# Altium PCB PCB5.PcbDoc (part 3 of 5)
Units mil, origin at the board's own origin, x right, y up, seen from the top; angles counter-clockwise.
Board outline 4763.78 x 6574.87 mil, 6 copper layers (Top Layer, GND, ADDR, DATA, VCC, Bottom Layer), stack 80.842 mil thick; 385 components, 444 nets, 1700 pads, 1571 vias.
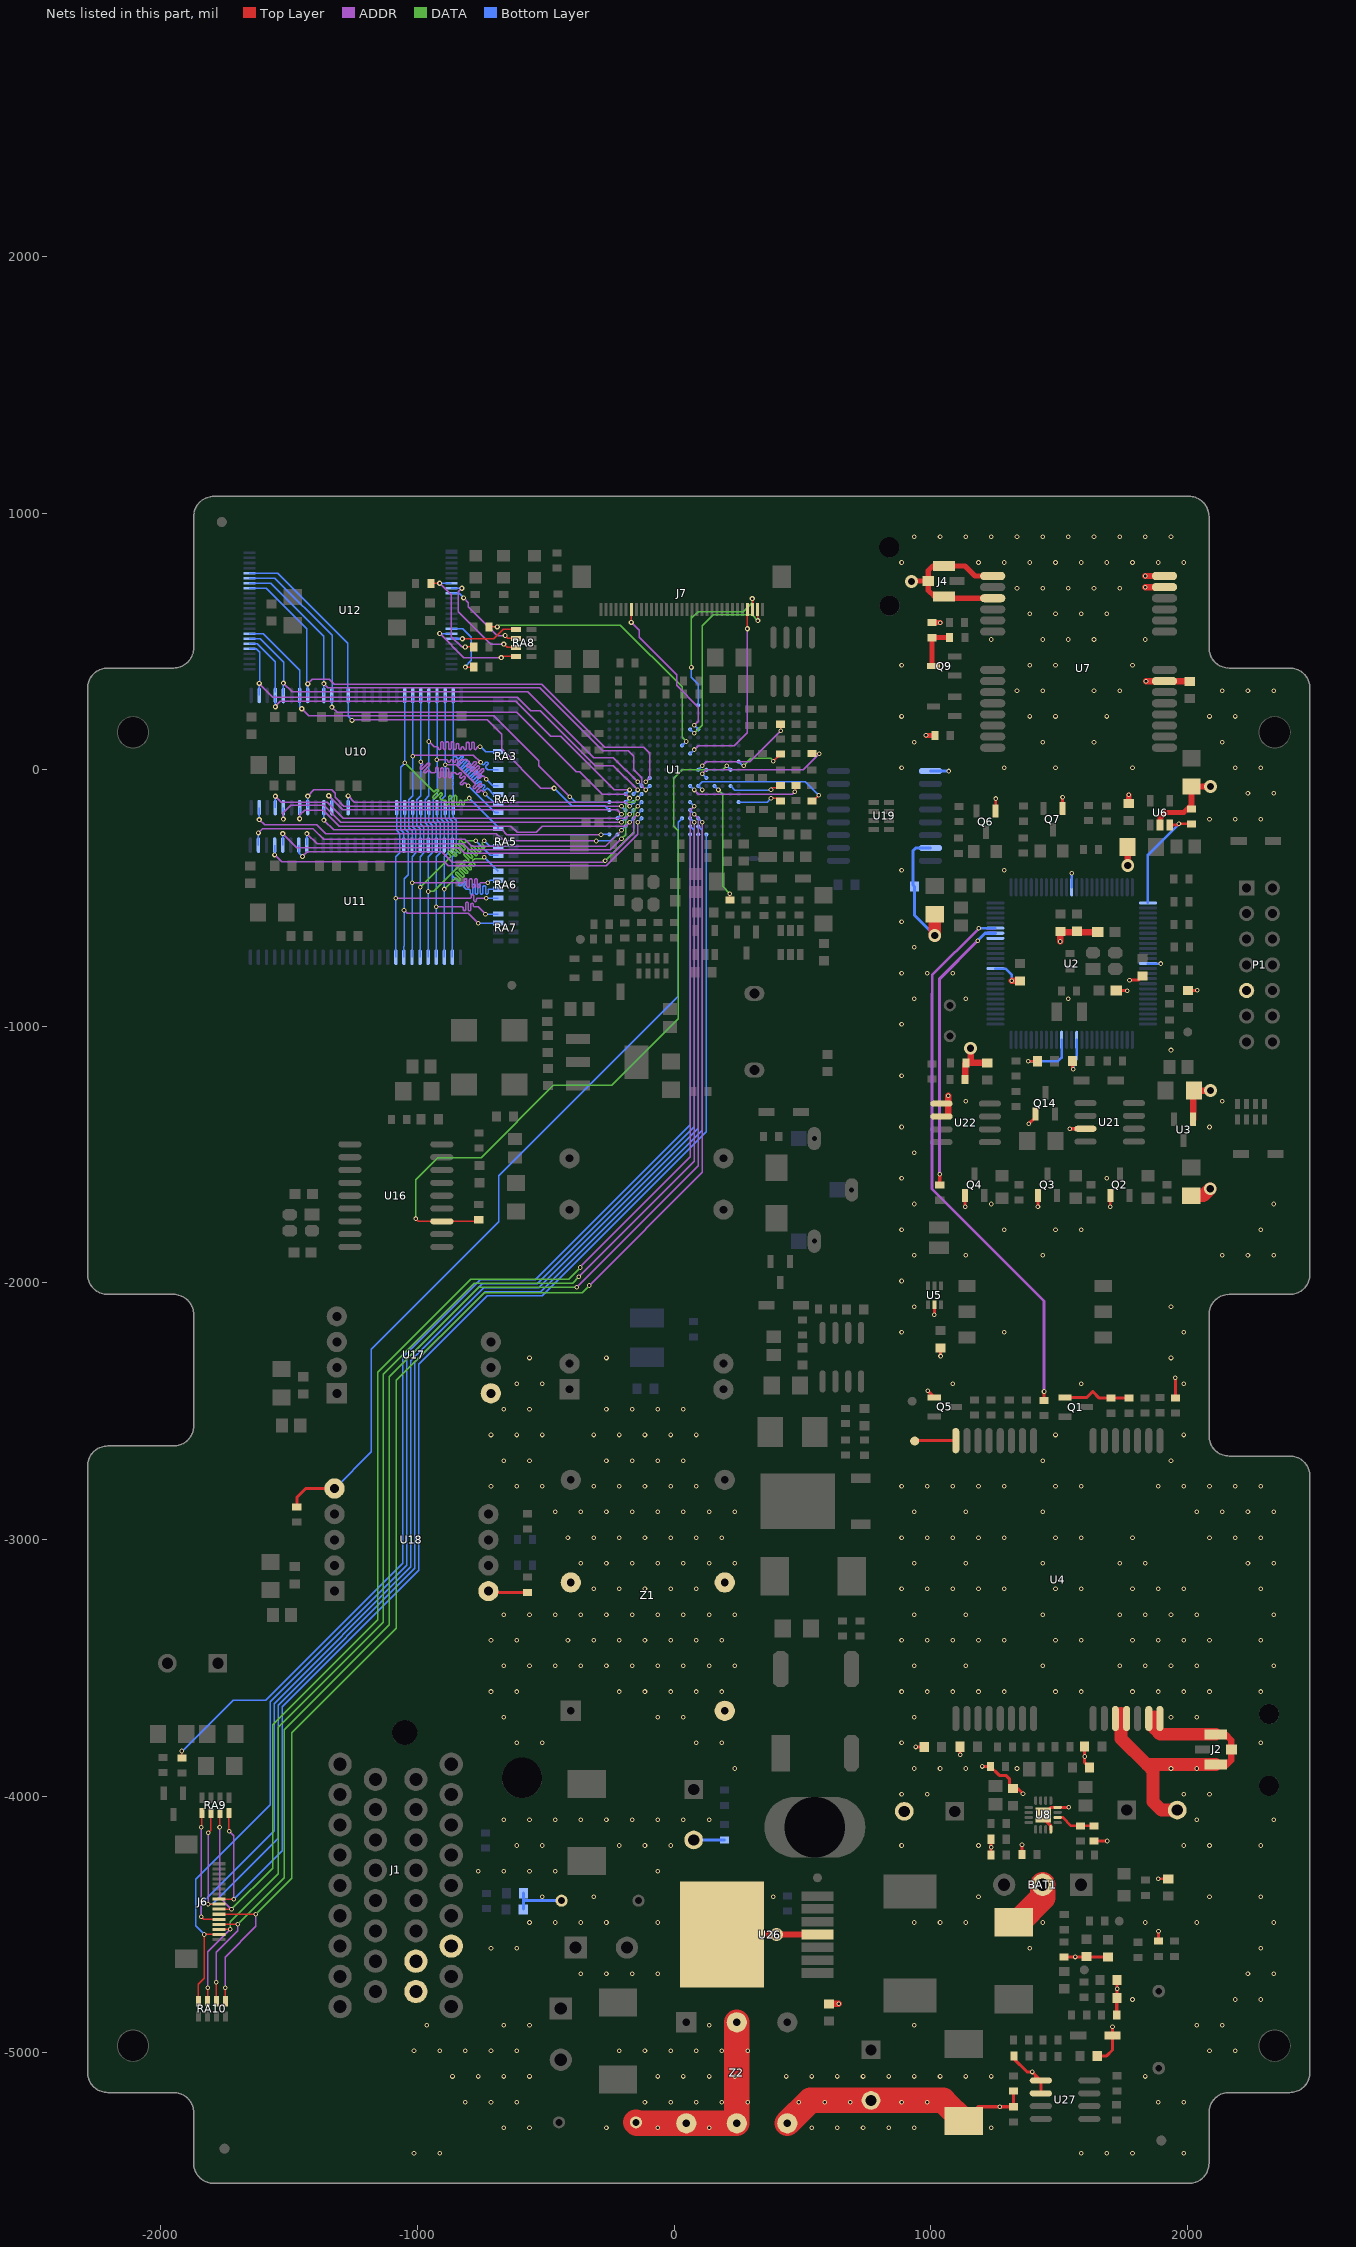
[diagram p7: the nets of this part, all layers, seen from the top]

## Via types
v1: diameter 18, hole 10, Top Layer to Bottom Layer, 1138 vias
v2: diameter 18, hole 10, Top Layer to Bottom Layer, tented both sides, 290 vias
v3: diameter 20, hole 10, Top Layer to Bottom Layer, tented both sides, 89 vias
v4: diameter 50, hole 28, Top Layer to Bottom Layer, 42 vias
v5: diameter 20, hole 10, Top Layer to Bottom Layer, 7 vias
v6: diameter 23.62, hole 11.81, Top Layer to Bottom Layer, tented both sides, 5 vias

## Nets (pads, with @x,y where several pads share a name; then routed paths per layer and width w, separated by ;. In a path a pad name is that pad's centre, name@x,y a point inside that pad or via, vN(x,y) a via of type N, cw(c..) or ccw(c..) an arc to the next point about the centre after c; other vN are vias at no path point) (continued)
EGND: C74.2 C75.2 CV3.2 J1.18 J1.19 J1.28 R94.2 R106.2 U17.8 U18.10 VR1.2 VR2.2 Z1.2 Z1.4 Z1.5 Z2.2 Z2.4 Z2.5 | length 1264.2
  Top Layer w12: U18.10@-718.47,-3205.53 R94.2@-571,-3205.53
  Top Layer w100: VR2.2@-148.24,-5271.23 -144.54,-5274.93 Z2.4@47.91,-5274.93 Z2.5@244.76,-5274.93 Z2.2@244.76,-4881.23
  Bottom Layer w12: C75.2@-586.59,-4440.39 C74.2@-586.59,-4378.39 ; -584.87,-4407.28 VR1.2@-438.24,-4407.28 ; CV3.2@77.34,-4170.13 R106.2@197.22,-4170.13
  other v1: -1013.24,-5392.28 -913.24,-5392.28 -663.24,-5292.28 -563.24,-5292.28 -263.24,-5292.28 -63.24,-5292.28 136.76,-5292.28 -813.24,-5192.28 -713.24,-5192.28 -613.24,-5192.28 -113.24,-5192.28 -13.24,-5192.28 86.76,-5192.28 186.76,-5192.28 286.76,-5192.28 -863.24,-5092.28 -763.24,-5092.28 -663.24,-5092.28 -563.24,-5092.28 -63.24,-5092.28 36.76,-5092.28 136.76,-5092.28 236.76,-5092.28 -1013.24,-4992.28 -913.24,-4992.28 -813.24,-4992.28 -713.24,-4992.28 -613.24,-4992.28 -213.24,-4992.28 -113.24,-4992.28 -13.24,-4992.28 86.76,-4992.28 186.76,-4992.28 286.76,-4992.28 -963.24,-4892.28 -663.24,-4892.28 -563.24,-4892.28 136.76,-4892.28 -363.24,-4692.28 -263.24,-4692.28 -163.24,-4692.28 -63.24,-4692.28 -713.24,-4592.28 -613.24,-4592.28 -563.24,-4492.28 -463.24,-4492.28 -363.24,-4492.28 -263.24,-4492.28 -63.24,-4492.28 -513.24,-4392.28 -313.24,-4392.28 -763.24,-4292.28 -663.24,-4292.28 -563.24,-4292.28 -463.24,-4292.28 -63.24,-4292.28 -613.24,-4192.28 -513.24,-4192.28 -213.24,-4192.28 -113.24,-4192.28 -13.24,-4192.28 -663.24,-4092.28 -563.24,-4092.28 -463.24,-4092.28 -363.24,-4092.28 -263.24,-4092.28 -163.24,-4092.28 -63.24,-4092.28 36.76,-4092.28 136.76,-4092.28 236.76,-3892.28 -613.24,-3792.28 -513.24,-3792.28 86.76,-3792.28 186.76,-3792.28 -663.24,-3692.28 -63.24,-3692.28 36.76,-3692.28 -713.24,-3592.28 -613.24,-3592.28 -213.24,-3592.28 -113.24,-3592.28 -13.24,-3592.28 86.76,-3592.28 186.76,-3592.28 -663.24,-3492.28 -563.24,-3492.28 -463.24,-3492.28 -363.24,-3492.28 -263.24,-3492.28 -163.24,-3492.28 -63.24,-3492.28 36.76,-3492.28 136.76,-3492.28 236.76,-3492.28 -713.24,-3392.28 -613.24,-3392.28 -413.24,-3392.28 -313.24,-3392.28 -213.24,-3392.28 -113.24,-3392.28 -13.24,-3392.28 86.76,-3392.28 186.76,-3392.28 -663.24,-3292.28 -563.24,-3292.28 -463.24,-3292.28 -363.24,-3292.28 -263.24,-3292.28 -163.24,-3292.28 -63.24,-3292.28 36.76,-3292.28 136.76,-3292.28 236.76,-3292.28 -313.24,-3192.28 -213.24,-3192.28 -113.24,-3192.28 -13.24,-3192.28 86.76,-3192.28 -363.24,-3092.28 -263.24,-3092.28 -163.24,-3092.28 -63.24,-3092.28 36.76,-3092.28 136.76,-3092.28 236.76,-3092.28 -413.24,-2992.28 -313.24,-2992.28 -213.24,-2992.28 -113.24,-2992.28 -13.24,-2992.28 86.76,-2992.28 186.76,-2992.28 -463.24,-2892.28 -363.24,-2892.28 -263.24,-2892.28 -163.24,-2892.28 -63.24,-2892.28 36.76,-2892.28 136.76,-2892.28 236.76,-2892.28 -713.24,-2792.28 -613.24,-2792.28 -513.24,-2792.28 -313.24,-2792.28 -213.24,-2792.28 -113.24,-2792.28 -13.24,-2792.28 86.76,-2792.28 -663.24,-2692.28 -563.24,-2692.28 -263.24,-2692.28 -163.24,-2692.28 -63.24,-2692.28 36.76,-2692.28 -713.24,-2592.28 -613.24,-2592.28 -513.24,-2592.28 -313.24,-2592.28 -213.24,-2592.28 -113.24,-2592.28 -13.24,-2592.28 86.76,-2592.28 -663.24,-2492.28 -563.24,-2492.28 -263.24,-2492.28 -163.24,-2492.28 -63.24,-2492.28 36.76,-2492.28 -613.24,-2392.28 -513.24,-2392.28 -563.24,-2292.28 -263.24,-2292.28
EINT0/GPF0: J6.8 RA9.8 U1.N17 | length 5437.6
  Top Layer w5: J6.8@-1773.02,-4401.16 v1(-1716.16,-4401.16) ; RA9.8@-1734.5,-4066 -1734.5,-4135.5 v1(-1733,-4137)
  ADDR w5: v1(-1733,-4137) -1716.16,-4153.84 v1(-1716.16,-4401.16)
  Bottom Layer w5: v1(-1716.16,-4401.16) -1527,-4212 -1527,-3652 -994,-3119 -994,-2316 -728.25,-2050.25 -513.56,-2050.25 125.99,-1410.7 U1.N17@125.99,-251.97
EINT1/GPF1: J6.9 RA9.6 U1.M16 | length 5542.2
  Top Layer w5: v1(-1815.84,-4420.84) J6.9@-1773.02,-4420.84 ; v1(-1815,-4143) -1804.5,-4132.5 RA9.6@-1804.5,-4066
  ADDR w5: v1(-1815.84,-4420.84) -1815.84,-4143.84 v1(-1815,-4143)
  Bottom Layer w5: v1(-1815.84,-4420.84) -1799.84,-4420.84 -1542.75,-4163.75 -1542.75,-3645.48 -1009.75,-3112.48 -1009.75,-2309.48 -734.77,-2034.5 -520.09,-2034.5 110.24,-1404.17 110.24,-236.22 U1.M16@94.49,-220.47
EINT2/GPF2: J6.10 RA9.7 U1.L13 | length 5741.5
  Top Layer w5: J6.10@-1773.02,-4440.53 v1(-1724.53,-4440.53) ; v1(-1771,-4121) -1769.5,-4119.5 RA9.7@-1769.5,-4066 RA9.7@-1769.5,-4059.14
  ADDR w5: v1(-1771,-4121) -1771,-4394.05 v1(-1724.53,-4440.53) ; v1(-365.74,-1939.74) -365.74,-1937.74 62.99,-1509.01 62.99,-157.48 v2(78.74,-141.73)
  DATA w5: v1(-1724.53,-4440.53) -1563.92,-4279.92 -1563.92,-3721.92 -1155,-3313 -1155,-2347 -793,-1985 -411,-1985 v1(-365.74,-1939.74)
  Bottom Layer w8: U1.L13@62.99,-125.98 v2(78.74,-141.73)
EINT3/GPF3: J6.11 RA10.5 U1.M15 | length 5754.5
  Top Layer w5: J6.11@-1773.02,-4460.21 v1(-1629.21,-4460.21) ; v1(-1749,-4747) -1748.5,-4747.5 RA10.5@-1748.5,-4799
  ADDR w5: v1(-1749,-4747) -1749,-4627 -1629.21,-4507.21 v1(-1629.21,-4460.21) ; v1(-330.46,-2010) 110.24,-1569.31 v2(110.24,-204.72)
  DATA w5: v1(-1629.21,-4460.21) -1489.29,-4320.29 -1489.29,-3752.83 -1081.75,-3345.29 -1081.75,-2379.29 -740.23,-2037.77 -358.23,-2037.77 v1(-330.46,-2010)
  Bottom Layer w8: U1.M15@94.49,-188.98 v2(110.24,-204.72)
EINT4/GPF4: J6.12 RA9.5 U1.M17 | length 5620.9
  Top Layer w5: v1(-1843,-4470) -1833.1,-4479.9 J6.12@-1773.02,-4479.9 ; v1@-1839.5,-4117.5 RA9.5@-1839.5,-4066
  ADDR w5: v1(-1843,-4470) v1(-1843,-4121)
  Bottom Layer w5: v1(-1843,-4470) -1843,-4419 -1558.5,-4134.5 -1558.5,-3638.95 -1025.5,-3105.95 -1025.5,-2302.95 -741.29,-2018.75 -526.61,-2018.75 94.49,-1397.65 U1.M17@94.49,-251.97
EINT5/GPF5: J6.13 RA10.6 U1.L14 | length 5730.4
  Top Layer w5: RA10.6@-1783.5,-4799 v1(-1783.5,-4725.5) ; J6.13@-1773.02,-4499.58 v1@-1700,-4499.58
  ADDR w5: v1(-1783.5,-4725.5) -1783.5,-4608.5 -1700,-4525 v1(-1700,-4499) ; v1(-379,-2017) 94.49,-1543.51 94.49,-188.98 v2(78.74,-173.23)
  DATA w5: v1(-1700,-4499) -1699.42,-4499.58 -1518.67,-4318.83 -1518.67,-3740.67 -1109.75,-3331.75 -1109.75,-2365.75 -761,-2017 v1(-379,-2017)
  Bottom Layer w8: U1.L14@62.99,-157.48 v2(78.74,-173.23)
EINT6/GPF6: J6.14 RA10.7 U1.L15 | length 5669.9
  Top Layer w5: RA10.7@-1818.5,-4799 -1817,-4797.5 v1(-1817,-4747) ; J6.14@-1773.02,-4519.27 v1(-1729.34,-4519.27)
  ADDR w5: v1(-1817,-4747) -1817,-4606.93 v1(-1729.34,-4519.27) ; v1(-371,-1976) 78.74,-1526.26 v2(78.74,-204.72)
  DATA w5: v1(-1729.34,-4519.27) -1729.34,-4489.34 -1542,-4302 -1542,-3731 -1133.08,-3322.08 -1133.08,-2356.08 -777.5,-2000.5 -395.5,-2000.5 v1(-371,-1976)
  Bottom Layer w8: U1.L15@62.99,-188.98 v2(78.74,-204.72)
EINT7/GPF7: J6.15 RA10.8 U1.L16 | length 5596.3
  Top Layer w5: RA10.8@-1853.5,-4799 -1853.5,-4733.33 -1830.05,-4709.88 v1(-1830.05,-4538.95) J6.15@-1773.02,-4538.95
  Bottom Layer w5: v1(-1830.05,-4538.95) -1864,-4505 -1864,-4324 -1574.25,-4034.25 -1574.25,-3632.43 -1041.25,-3099.43 -1041.25,-2296.43 -747.82,-2003 -533.13,-2003 78.74,-1391.13 78.74,-236.22 U1.L16@62.99,-220.47
EINT8/GPG0: U1.N9
EINT9/GPG1: R86.2 U1.T9 U16.12 | length 2880.2
  Top Layer w5: v1(-1007,-1749) -996,-1760 U16.12@-904.87,-1760 -767.47,-1760 R86.2@-761,-1753.53
  DATA w5: v1(-1007,-1749) -1007,-1598 -920.29,-1511.29 -751,-1511.29 -469.71,-1230 -243.02,-1230 17,-969.98 17,-237 -0.24,-219.76 -0.24,-32.23 31.98,0 189.53,0 v2(205,15.47)
  Bottom Layer w5: v2(205,15.47) U1.T9@220.47,0
EINT17/GPG9: R59.2 U1.M11 | length 555.5
  Top Layer w5: R59.2@537.76,-121.47 542.53,-121.47 v1(564,-100)
  Bottom Layer w5: U1.M11@94.49,-62.99 110.48,-47 511,-47 v1(564,-100)
  Bottom Layer w8: U1.M11@94.49,-62.99 v2(110.24,-78.74)
EINT18/GPG10: RN12.2 U1.N10 | length 538.7
  Top Layer w5: RN12.2@537.76,63.24 v1@565.76,63.24
  ADDR w5: v2(110.24,-15.75) 125.83,-0.15 502.85,-0.15 v1(566,63)
  Bottom Layer w8: v2(110.24,-15.75) U1.N10@125.99,-31.5
EMERG_OFF: TP3.1 U4.15 | length 158.8
  Top Layer w12: TP3.1@939.45,-2614.55 U4.15@1098.22,-2614.55
EN1: R49.2 RN7.1 U8.6 | length 155.4
  Top Layer w10: U8.6@1494.86,-4083.07 1515.07,-4083.07 1547.7,-4115.7 R49.2@1583.76,-4115.7 RN7.1@1636.76,-4115.7
FALE: RA8.4 U12.17 | length 385.1
  Top Layer w5: v3(-673.19,436.78) -667.83,442.14 RA8.4@-615.6,442.14
  ADDR w5: v3(-913.36,531.06) -819.08,436.78 v3(-673.19,436.78)
  Bottom Layer w5: v3(-913.36,531.06) -912.44,530.14 U12.17@-867.62,530.14
FCLE: R65.1 U12.16 | length 250.6
  Top Layer w5: v3(-812.97,400.16) R65.1@-780.49,400.16
  Bottom Layer w5: U12.16@-867.62,549.83 -823.86,549.83 -790.08,516.05 -790.08,425.99 v3@-815.92,400.16
FNFCE: RA8.2 U12.9 | length 333.9
  Top Layer w5: v3(-658.44,523.19) -647.4,512.14 RA8.2@-615.6,512.14
  ADDR w5: v3(-819.86,669.84) -801.65,651.63 -801.65,635.88 -688.95,523.19 v3(-658.44,523.19)
  Bottom Layer w5: U12.9@-867.62,687.62 -837.64,687.62 v3(-819.86,669.84)
FNFRE: RA8.3 U12.8 | length 424.3
  Top Layer w5: v3(-663.36,489.72) -650.78,477.14 RA8.3@-615.6,477.14
  ADDR w5: v3(-826.81,707.31) -840.53,693.59 -840.53,616.69 -713.56,489.72 v3(-663.36,489.72)
  Bottom Layer w5: U12.8@-867.62,707.31 v3(-826.81,707.31) -823.86,707.31 v3@-822.81,706.26
FNFWE: RA8.1 U12.18 | length 267.2
  Top Layer w5: v3(-824.84,510.46) -702.67,510.46 -665.98,547.14 RA8.1@-615.6,547.14
  Bottom Layer w8: U12.18@-867.62,510.46 v3(-824.84,510.46)
FRNB: R63.2 R66.1 U12.7 | length 409.1
  Top Layer w5: R63.2@-947.81,725.94 v3@-915.33,725.94 ; v3(-813.46,478.4) R66.1@-780.49,478.4
  ADDR w5: v3(-913.3,726.99) -867.62,681.31 -867.62,518.79 -827.24,478.4 v3(-813.46,478.4)
  Bottom Layer w5: v3(-913.3,726.99) U12.7@-867.62,726.99
GGND: BAT1.2 C29.2 C30.2 C31.2 C32.2 C33.2 C34.2 C35.2 C36.2 C37.2 C38.2 C39.2 C40.2 C41.2 C42.2 C43.2 C44.2 C45.2 C46.2 C47.2 C76.2 C81.2 C82.2 C89.2 C91.2 C92.2 C93.2 CP7.2 CP8.2 CP9.2 CP10.2 CP21.2 CV1.2 CV4.2 CV5.2 D12.1 D13.1 D14.1 J2.2 J2.3 J2.4 J4.2 J4.3 J4.4 P1.9 Q1.1 Q2.1 Q3.1 Q4.1 Q5.1 Q6.1 Q7.1 Q14.1 R13.1 R21.2 R22.2 R23.1 R38.2 R46.1 R47.2 R51.2 R53.2 R54.1 R55.2 R109.2 R111.2 R115.1 R118.2 R121.2 R123.2 RN8.2 U2.12 U2.15 U2.37 U2.63 U2.88 U3.1 U4.26 U4.27 U4.29 U4.30 U5.2 U6.2 U7.7 U7.13 U7.14 U7.15 U7.17 U8.4 U8.8 U19.9 U19.15 U21.3 U22.1 U22.2 U26.4 U26.8 U27.1 U27.2 Z2.6 | length 8655.4
  Top Layer w10: Q6.1@1253.16,-160.89 v1(1253.16,-112.16) ; v1(1381,-1136) C30.2@1416.54,-1136 ; v1(1700.36,-1703.36) Q2.1@1700.36,-1658.57 ; v1(1886.54,-4322.54) C81.2@1926,-4322.54
  Top Layer w12: v1(941.77,-3808.23) C40.2@975.29,-3808.23 ; v1(989,-2420.41) Q5.1@1014.42,-2445.83 ; v1(1014.76,-2123.76) U5.2@1014.76,-2085.63 ; v1(1038.76,-2284.76) C41.2@1038.76,-2252.69 ; v1(1115.29,-3838.29) C39.2@1115.29,-3807.23 ; D13.1@1128.76,-5266.23 1184.51,-5210.47 v1(1270,-5210.47) R123.2@1323,-5210.47 R121.2@1323,-5149.53 ; Q4.1@1134.36,-1658.57 1134.36,-1702.36 v1(1135,-1703) ; v1(1200.77,-3884.23) R53.2@1233.23,-3884.23 1268,-3919 1293,-3919 1308,-3934 1308,-3957.54 C44.2@1321,-3970.54 1340.54,-3970.54 v1(1360,-3990) ; R55.2@1235.7,-4229.23 v1(1235.7,-4199) R51.2@1235.7,-4167.73 ; R118.2@1324.47,-5013 1324.47,-5022.84 1376.36,-5074.73 1395.73,-5074.73 1409.63,-5088.63 U27.1@1409.63,-5108 ; RN8.2@1356.23,-4227.23 v1(1356.23,-4189.77) ; v1(1383,-1380) 1406.76,-1356.24 Q14.1@1406.76,-1345.23 ; v1(1396.24,-5074.73) U27.1@1429.51,-5108 U27.2@1429.51,-5158 ; v1(1418.36,-1703.36) Q3.1@1418.36,-1658.57 ; U8.4@1468.28,-4129.33 1468.28,-4115.69 1438.76,-4086.17 U8.8@1438.76,-4073.23 U8.8@1458.76,-4053.23 1468.13,-4043.86 1494.7,-4043.86 U8.8@1494.86,-4043.7 v1(1537.7,-4043.7) ; Q7.1@1514.16,-150.89 v1(1514.16,-106.84) ; R54.1@1520,-4626.53 v1(1564,-4626.53) C46.2@1692,-4626.46 ; Q1.1@1525.76,-2448.7 Q1.1@1523.66,-2446.6 1608.4,-2446.6 1632,-2423 1657.7,-2448.7 R23.1@1702.76,-2448.7 R21.2@1772.76,-2448.7 ; v1(1542,-1399) U21.3@1603.51,-1399 ; C31.2@1553.54,-1135 1553.54,-1167.54 v1(1555.46,-1167.54) ; C38.2@1600.54,-3806 v1(1600.54,-3845.46) 1600.54,-3869.54 C45.2@1619.22,-3888.23 ; C93.2@1649.46,-5012 1686,-5012 1708.93,-4989.07 D14.1@1708.93,-4932 v1(1708.93,-4899.07) ; C37.2@1723.46,-861 v1(1767,-861) ; R115.1@1725.53,-4852 C91.2@1725.53,-4786 ; C91.2@1726.46,-4786 C92.2@1726.46,-4716 ; v1(1775,-820) 1809.46,-820 C32.2@1826,-803.46 ; R13.1@1888,-4565.17 v1(1888,-4527) ; R22.2@1953.76,-2447.7 v1(1953.76,-2369.24) ; C29.2@2003.76,-859.76 v1(2039.24,-859.76)
  Top Layer w20: v4(926,734) 927,735 J4.3@990.98,735 ; v1(982,134) R46.1@1017.47,134 ; R47.2@1006,573.53 v1(1037.47,573.53) ; J4.2@1036,675.94 1014.06,675.94 990.98,699.02 J4.3@990.98,735 ; J4.2@1052,668.48 U7.17@1242.11,668.48 ; U7.15@1242.11,755.09 1172.91,755.09 1133.94,794.06 J4.4@1052,794.06 1008.73,794.06 990.98,776.3 J4.3@990.98,735 ; C42.2@1772,-131.54 v1(1772,-98) ; U6.2@1894,-215.24 1894,-187.68 1915.68,-166 1986.76,-166 2016.76,-136
  Top Layer w25: U26.8@186.93,-4539.23 v4(399,-4539.23) U26.4@558.98,-4539.23 ; C89.2@604,-4809.54 v1(641.54,-4809.54) ; U22.2@1069,-1342.73 v1(1069,-1270) ; R109.2@1134.28,-1207.23 1134.28,-1145.23 R111.2@1136.75,-1142.76 ; R111.2@1137.28,-1142.23 1153,-1142.23 ; v4(1156,-1085) 1156,-1139.23 1153,-1142.23 ; C82.2@1220.76,-1142.76 1220.22,-1142.23 1153,-1142.23 ; v1(1316.54,-822.46) C33.2@1349,-822.46 ; v1(1505.76,-669.24) C34.2@1505.76,-629.69 1509.06,-633 C36.2@1651.54,-633 ; v4@1767.88,-364.88 CP9.2@1767.88,-301 ; v1(1835.79,711.79) U7.13@1911.4,711.79 ; v1(1837.09,755.09) U7.14@1911.4,755.09 ; v1(1839.35,345.65) U7.7@1911.4,345.65 1912.58,344.46 C43.2@2010,344.46 ; 2016.76,-136 CP10.2@2016.76,-65.35 v4(2090.35,-65.35) ; U3.1@2023.16,-1361.89 2023.16,-1252.95 CP8.2@2025.87,-1250.23 v4@2079.23,-1250.23 ; J2.4@2111,-3877.06 2154.31,-3877.06 2172.02,-3859.34 J2.3@2172.02,-3818 2172.02,-3782.02 J2.2@2148.94,-3758.94
  Top Layer w50: v4(1016,-646) CP21.2@1016,-563.12 ; 1742,-3678 1742,-3776 1843.06,-3877.06 ; 1872,-3691 1872,-3736 1894.94,-3758.94 J2.2@2111,-3758.94 ; CV1.2@1961.18,-4054.23 1899.23,-4054.23 1867,-4022 1867,-3901 1843.06,-3877.06 ; CP7.2@2015.76,-1660.23 2062.77,-1660.23 v4(2090,-1633) ; J2.4@2111,-3877.06 1843.06,-3877.06
  Top Layer w100: Z2.6@441.61,-5274.93 530.88,-5185.65 CV4.2@767.76,-5185.65 1048.18,-5185.65 D13.1@1128.76,-5266.23 ; D12.1@1324,-4491 1341,-4491 1436.76,-4395.24 BAT1.2@1436.76,-4345.23
  ADDR w12: v1@1135,-1704 v1(1135,-1703)
  Bottom Layer w10: U2.37@1252.51,-774.91 1291.91,-774.91 1316.54,-799.54 v1(1316.54,-822.46) ; v1(1381,-1136) 1496,-1136 1510.39,-1121.61 U2.15@1510.39,-1052.47 ; U2.63@1549.76,-457.98 v1(1549.76,-402.76) ; v1(1555.46,-1167.54) 1555.46,-1142.42 1569.44,-1128.44 U2.12@1569.44,-1052.47 ; U2.88@1847,-755.23 v1(1897.23,-755.23)
  Bottom Layer w12: U19.15@999.13,-305 942,-305 932,-315 932,-449.46 C76.2@937.54,-455 937.54,-567.54 v4(1016,-646) ; U19.9@999.13,-5 v1(1070,-5)
  other v1: 1586.76,-5392.28 1686.76,-5392.28 1786.76,-5392.28 1986.76,-5392.28 536.76,-5292.28 636.76,-5292.28 736.76,-5292.28 836.76,-5292.28 936.76,-5292.28 1236.76,-5292.28 486.76,-5192.28 586.76,-5192.28 686.76,-5192.28 886.76,-5192.28 986.76,-5192.28 1886.76,-5192.28 1986.76,-5192.28 436.76,-5092.28 536.76,-5092.28 636.76,-5092.28 736.76,-5092.28 836.76,-5092.28 936.76,-5092.28 1036.76,-5092.28 1136.76,-5092.28 1236.76,-5092.28 1836.76,-5092.28 2086.76,-4992.28 2186.76,-4992.28 936.76,-4892.28 2036.76,-4892.28 2136.76,-4892.28 1786.76,-4792.28 2186.76,-4792.28 2286.76,-4792.28 1727,-4751 2236.76,-4692.28 2336.76,-4692.28 1386.76,-4592.28 2286.76,-4592.28 936.76,-4492.28 1036.76,-4492.28 1136.76,-4492.28 1436.76,-4492.28 1836.76,-4492.28 2036.76,-4492.28 2336.76,-4492.28 386.76,-4392.28 1186.76,-4392.28 2086.76,-4392.28 2286.76,-4392.28 886.76,-4192.28 1186.76,-4192.28 1986.76,-4192.28 2086.76,-4192.28 2286.76,-4192.28 2036.76,-4092.28 2336.76,-4092.28 886.76,-3992.28 986.76,-3992.28 1986.76,-3992.28 2086.76,-3992.28 936.76,-3892.28 1036.76,-3892.28 1136.76,-3892.28 1336.76,-3892.28 1936.76,-3892.28 2036.76,-3892.28 886.76,-3792.28 2286.76,-3792.28 936.76,-3692.28 1936.76,-3692.28 2036.76,-3692.28 886.76,-3592.28 986.76,-3592.28 1086.76,-3592.28 1186.76,-3592.28 1286.76,-3592.28 1486.76,-3592.28 1586.76,-3592.28 1786.76,-3592.28 1886.76,-3592.28 1986.76,-3592.28 2086.76,-3592.28 2286.76,-3592.28 936.76,-3492.28 1136.76,-3492.28 1436.76,-3492.28 1736.76,-3492.28 1836.76,-3492.28 1936.76,-3492.28 2036.76,-3492.28 2336.76,-3492.28 886.76,-3392.28 986.76,-3392.28 1086.76,-3392.28 1186.76,-3392.28 1286.76,-3392.28 1486.76,-3392.28 1586.76,-3392.28 1786.76,-3392.28 1886.76,-3392.28 1986.76,-3392.28 2086.76,-3392.28 2286.76,-3392.28 936.76,-3292.28 1136.76,-3292.28 1436.76,-3292.28 1736.76,-3292.28 1836.76,-3292.28 1936.76,-3292.28 2036.76,-3292.28 2336.76,-3292.28 886.76,-3192.28 986.76,-3192.28 1086.76,-3192.28 1186.76,-3192.28 1286.76,-3192.28 1486.76,-3192.28 1586.76,-3192.28 1786.76,-3192.28 1886.76,-3192.28 1986.76,-3192.28 2286.76,-3192.28 936.76,-3092.28 1136.76,-3092.28 1436.76,-3092.28 1736.76,-3092.28 1836.76,-3092.28 2236.76,-3092.28 2336.76,-3092.28 886.76,-2992.28 986.76,-2992.28 1086.76,-2992.28 1186.76,-2992.28 1286.76,-2992.28 1486.76,-2992.28 1586.76,-2992.28 1786.76,-2992.28 2086.76,-2992.28 2186.76,-2992.28 2286.76,-2992.28 936.76,-2892.28 1136.76,-2892.28 1436.76,-2892.28 2036.76,-2892.28 2136.76,-2892.28 2236.76,-2892.28 2336.76,-2892.28 886.76,-2792.28 986.76,-2792.28 1086.76,-2792.28 1186.76,-2792.28 1286.76,-2792.28 1486.76,-2792.28 1586.76,-2792.28 1886.76,-2792.28 1986.76,-2792.28 2086.76,-2792.28 2186.76,-2792.28 2286.76,-2792.28 1436.76,-2692.28 1936.76,-2692.28 1486.76,-2592.28 1986.76,-2592.28 1086.76,-2392.28 1586.76,-2392.28 1986.76,-2392.28 1936.76,-2292.28 886.76,-2192.28 1286.76,-2192.28 1986.76,-2192.28 936.76,-2092.28 1936.76,-2092.28 886.76,-1992.28 936.76,-1892.28 1136.76,-1892.28 1436.76,-1892.28 2136.76,-1892.28 2236.76,-1892.28 2336.76,-1892.28 886.76,-1792.28 1286.76,-1792.28 1486.76,-1792.28 1586.76,-1792.28 2286.76,-1792.28 936.76,-1692.28 1236.76,-1692.28 2336.76,-1692.28 886.76,-1592.28 1686.76,-1592.28 936.76,-1492.28 886.76,-1392.28 2086.76,-1392.28 1136.76,-1292.28 2136.76,-1292.28 886.76,-1192.28 1936.76,-1092.28 886.76,-992.28 936.76,-892.28 1136.76,-892.28 1536.76,-892.28 886.76,-792.28 986.76,-792.28 1086.76,-792.28 936.76,-692.28 886.76,-592.28 886.76,-392.28 1286.76,-392.28 2086.76,-192.28 2186.76,-192.28 2286.76,-192.28 2236.76,-92.28 2336.76,-92.28 886.76,7.72 1286.76,7.72 1486.76,7.72 1786.76,7.72 2186.76,7.72 2286.76,7.72 936.76,107.72 1436.76,107.72 1636.76,107.72 2136.76,107.72 886.76,207.72 1386.76,207.72 1486.76,207.72 1686.76,207.72 2086.76,207.72 2186.76,207.72 1336.76,307.72 1436.76,307.72 1636.76,307.72 1736.76,307.72 2136.76,307.72 2236.76,307.72 2336.76,307.72 886.76,407.72 1386.76,407.72 1486.76,407.72 1786.76,407.72 1236.76,507.72 1436.76,507.72 1536.76,507.72 1636.76,507.72 1836.76,507.72 1386.76,607.72 1486.76,607.72 1586.76,607.72 1686.76,607.72 1336.76,707.72 1436.76,707.72 1536.76,707.72 1636.76,707.72 1736.76,707.72 886.76,807.72 1186.76,807.72 1286.76,807.72 1386.76,807.72 1486.76,807.72 1586.76,807.72 1686.76,807.72 1786.76,807.72 1886.76,807.72 1986.76,807.72 936.76,907.72 1036.76,907.72 1136.76,907.72 1236.76,907.72 1336.76,907.72 1436.76,907.72 1536.76,907.72 1636.76,907.72 1736.76,907.72 1836.76,907.72 1936.76,907.72
  other v4: 2091,-1250 1768,-373
GND: RN7.2 | length 51
  Top Layer w12: RN7.2@1636.76,-4174.76 v1(1687.76,-4174.76)
GPB10/NAND: RN9.2 U1.K6 | length 1101.2
  Top Layer w5: RN9.2@-725.37,556.65 RN9.2@-721.43,556.65 v3(-688.95,556.65)
  DATA w5: v3(-688.95,556.65) -681.96,563.64 -208.74,563.64 31.5,323.41 31.5,125.99 v2(47.24,110.24)
  Bottom Layer w8: U1.K6@31.5,94.49 v2(47.24,110.24)
GPC1/VCLK: J7.2 U1.L4 | length 742.3
  Top Layer w5: J7.2@325.66,624.44 325.66,582.4 v3(326.8,581.26)
  DATA w5: v2(78.74,141.73) 110.49,173.48 110.49,561.8 152.58,603.9 304.16,603.9 v3(326.8,581.26)
  Bottom Layer w8: U1.L4@62.99,157.48 v2(78.74,141.73)
GPC2/VLINE: J7.3 U1.M1 | length 680.4
  Top Layer w5: v3(305.14,666.89) 305.97,666.06 J7.3@305.97,624.44
  DATA w5: v3(67.94,399) 67.94,590.12 ; 67.94,599.79 67.94,590.12 ; v3(305.14,666.89) 305.14,650.16 270.69,615.71 93.53,615.71 67.94,590.12
  Bottom Layer w5: v3(67.94,399) 67.94,359.8 94.49,333.25 U1.M1@94.49,251.97
GPC3/VFRAME: J7.4 U1.L7 | length 736
  Top Layer w5: v3(286.29,549.63) J7.4@286.29,624.44